# Altium PCB graviton.PcbDoc (part 4 of 15)
Units mm, origin at the board's own origin, x right, y up, seen from the top; angles counter-clockwise.
Board outline 200 x 200 mm, 10 copper layers (TOP, POLYGON1, S1, POLYGON2, POLYGON3, POLYGON4, POLYGON5, S2, POLYGON6, BOT), stack 1.751 mm thick; 1317 components, 712 nets, 5121 pads, 3994 vias.
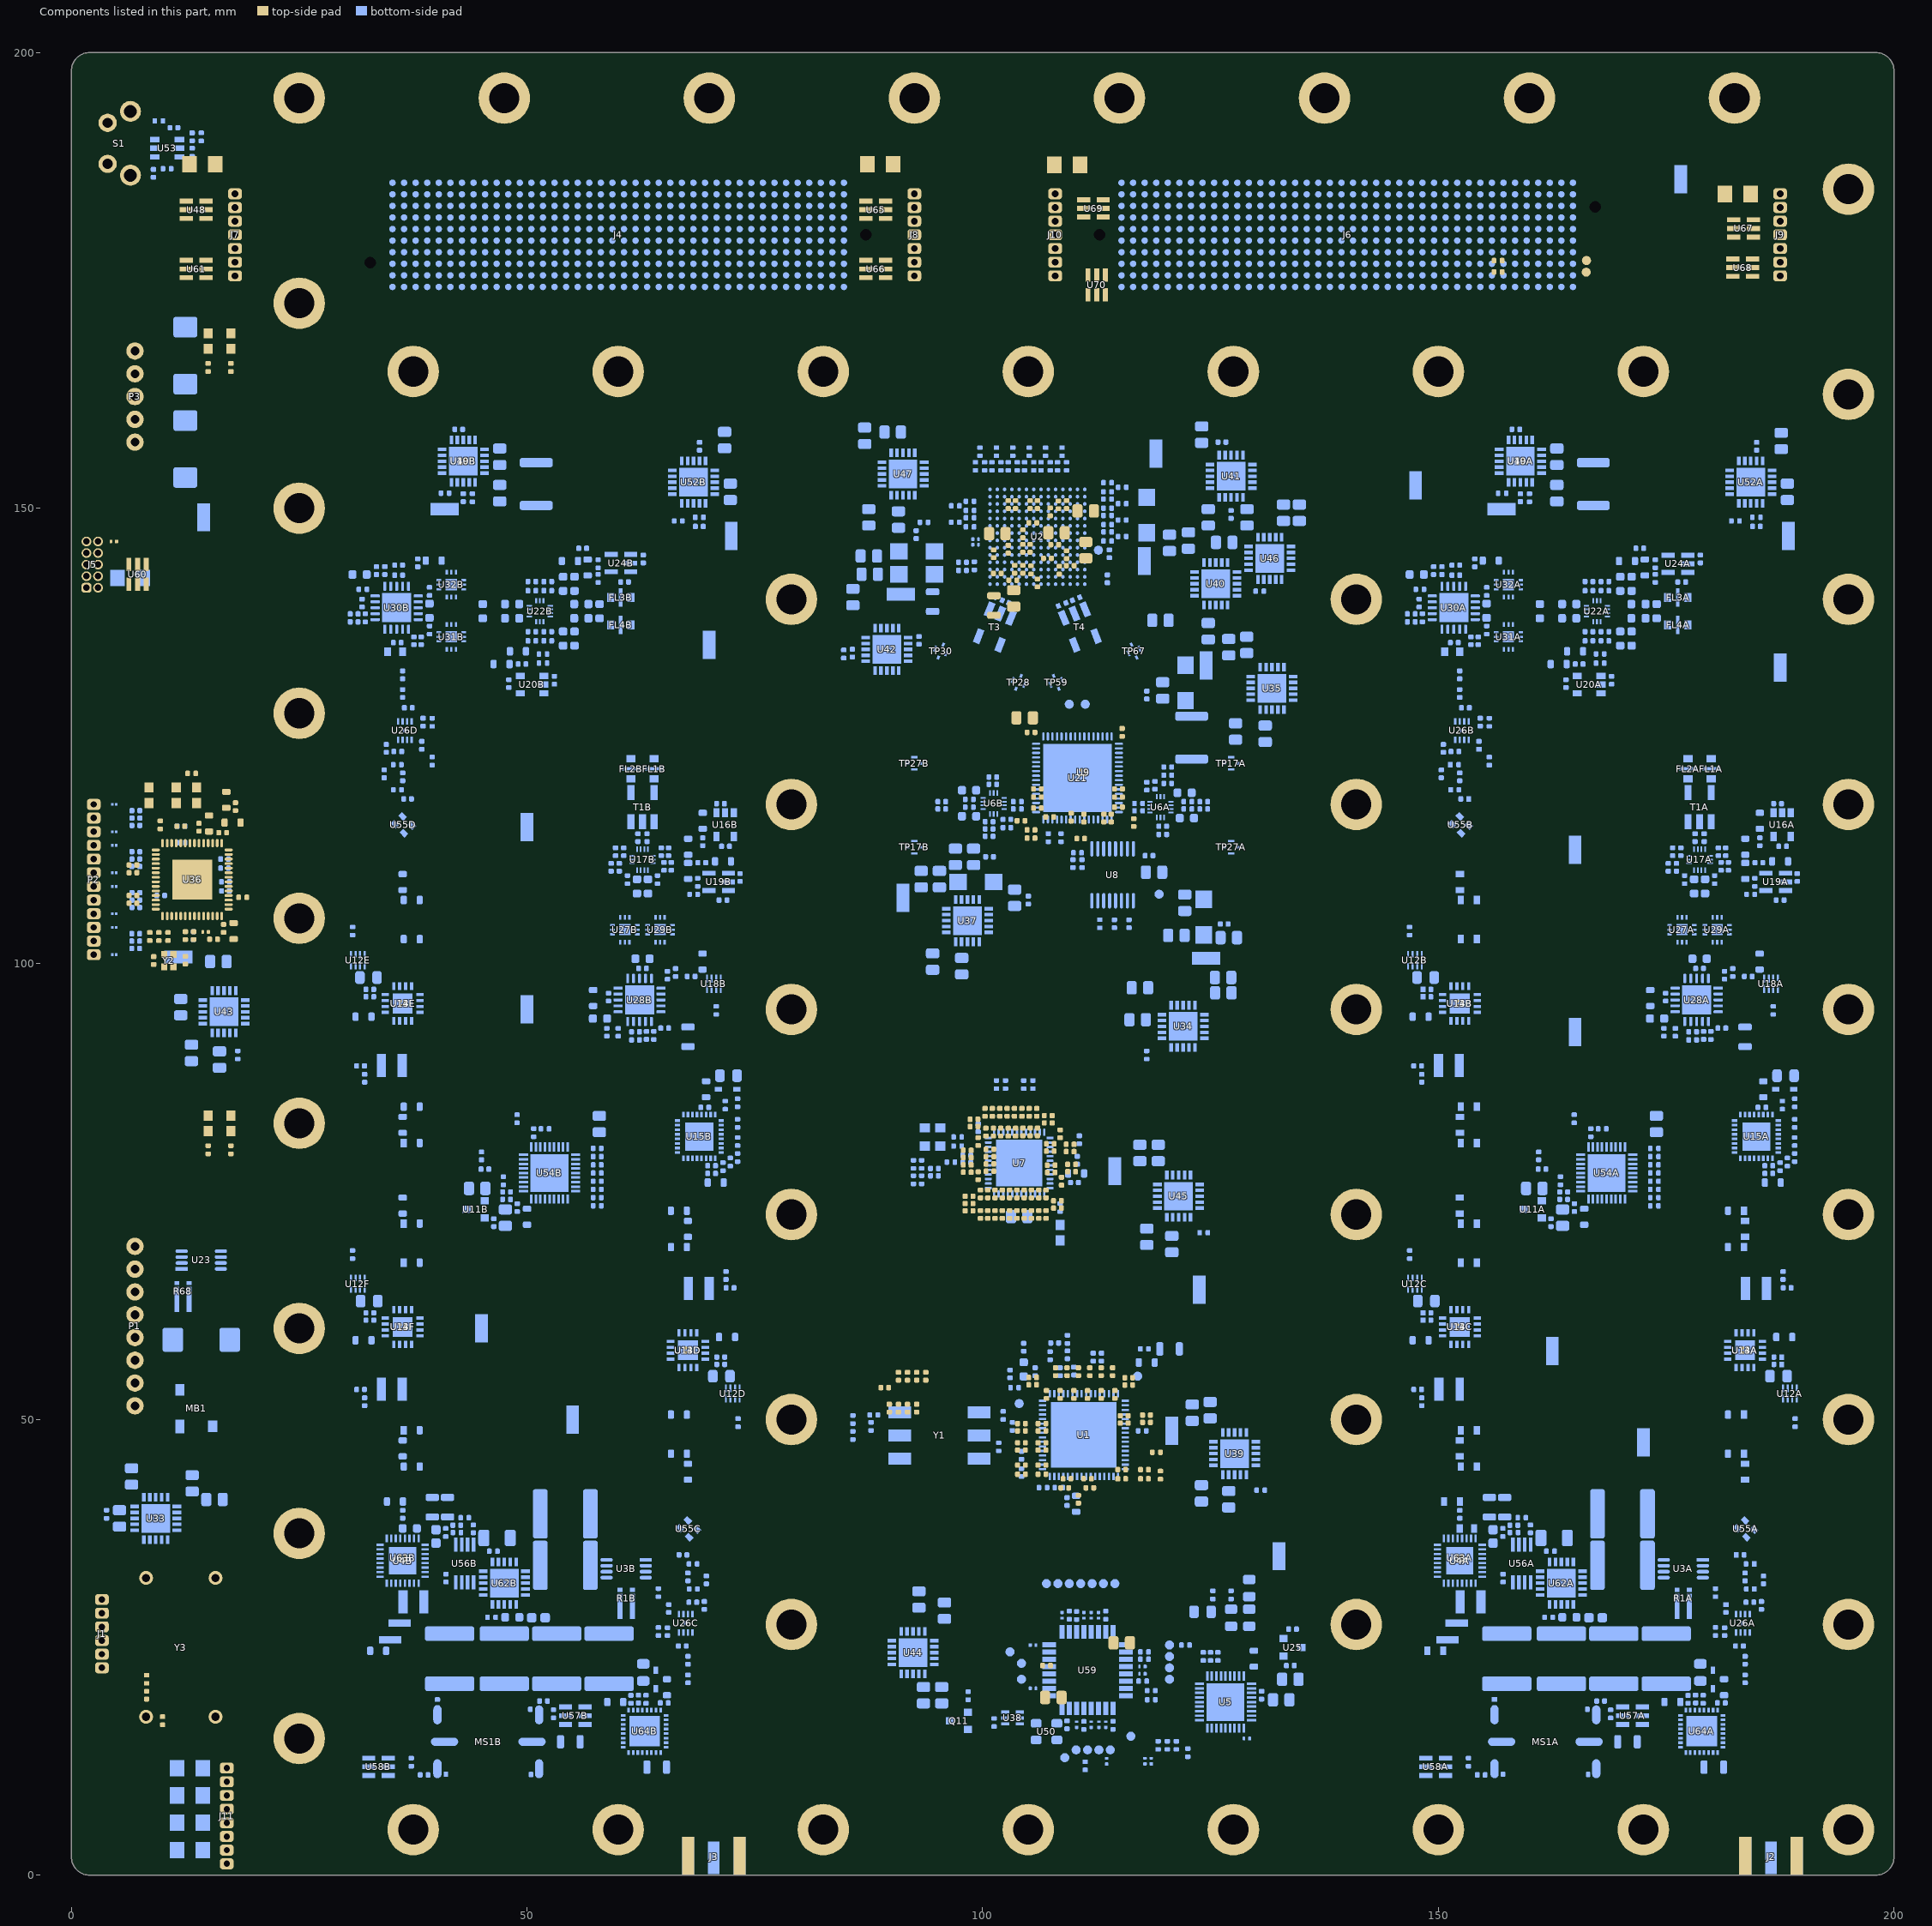
[diagram p12: the components of this part, seen from the top]

## Footprints (in the part's own frame and the unit in brackets; to place one, negate y for a bottom-side part, rotate by r counter-clockwise, add the part's x,y. Pads: shape width x height; smd on the part's side, far side on the other; paste and mask are expansions set on the pad)
0603 [mm] "SMD; Body 1.6 x 0.9 mm (LxW typ)"
  rect 0.79x0.93 smd: 1(-0.82,0) 2(0.82,0)
  body extent -0.8,-0.4 0.8,0.4, height 0.9
0603_LED [mm] "SMD; Body 1.6 x 0.9 mm (LxW typ)"
  rect 1.1x1 smd: 1(-0.85,0) 2(0.85,0)
  body extent -0.8,-0.4 0.8,0.4, height 0.9
0906-5L [mm] "Air Core Inductor 0906"
  rect 0.79x2.46 smd: 1(0.915,0.51) 2(-0.915,-0.51)
  silkscreen extent -1.25,-1.75 1.25,1.75, body extent -1.15,-1.59 1.15,1.59, height 1.32
1008CS#1 [mm] "Chip Inductor"
  rect 2.54x1.02 smd paste+0 mask+0: 1(0,1.145) 2(0,-1.145)
  body extent -1.39,-1.46 1.39,1.46, height 2.03
1008CS#2 [mm] "Chip Inductor"
  rect 2.54x0.914 smd paste+0 mask+0.05: 1(0,1.145)
  rect 2.54x1.02 smd paste+0 mask+0.05: 2(0,-1.145)
  body extent -1.39,-1.46 1.39,1.46, height 2.03
1206 [mm] "SMD; Body 3.1 x 1.6 mm (LxW typ)"
  rect 1.6x1.8 smd: 1(-1.4,0) 2(1.4,0)
  body extent -1.63,-0.79 1.57,0.81, height 1
1806 [mm] "SMD; Body 4.5 x 3.2 mm (LxW typ)"
  rect 1.9x1.8 smd: 1(-1.95,0) 2(1.95,0)
  body extent -2.25,-0.8 2.25,0.8, height 1.6
5015 [mm] "Test Point SMT"
  rect 3.1x1.4 smd paste+0.2 mask+0.05: 1(0,0)
  silkscreen extent -1.78,-0.92 1.78,0.92, body extent -1.45,-0.5 1.45,0.5, height 2
AT224-1A [mm] "Surface Mount RF Transformer"
  rect 0.76x1.65 smd: 1(-1.27,1.59) 2(0,1.59) 3(1.27,1.59) 4(1.27,-1.59) 6(-1.27,-1.59)
  body extent -1.9,-1.9 1.9,1.9, height 4.06
B7B-ZR [mm] "Through-hole Shrouded Header 7-Position"
  rrect50% 1.2x1.5 hole 0.73 paste-1.5 mask+0.05: 1(4.5,-0.45) 2(3,-0.45) 3(1.5,-0.45) 4(0,-0.45) 5(-1.5,-0.45) 6(-3,-0.45) 7(-4.5,-0.45)
  silkscreen extent -5.85,-1.85 6.35,1.85, body extent -5.75,-1.75 6.25,1.75, height 4.5
B8B-ZR [mm] "Through-hole Shrouded Header 8-Position"
  rrect50% 1.2x1.5 hole 0.7 paste-1.5 mask+0.05: 1(5.25,-0.45) 2(3.75,-0.45) 3(2.25,-0.45) 4(0.75,-0.45) 5(-0.75,-0.45) 6(-2.25,-0.45) 7(-3.75,-0.45) 8(-5.25,-0.45)
  silkscreen extent -5.25,-1.85 7.1,1.85, body extent -6.5,-1.75 7,1.75, height 4.5
CAPC100X50X55L25N#1 [mm] "Capacitor, Chip; 1.00 mm L X 0.50 mm W X 0.55 mm H body"
  rrect52% 0.54x0.6 smd: 1(-0.43,0) 2(0.43,0)
  body extent -0.5,-0.25 0.5,0.25, height 0.55
CAPC100X50X55L25N#2 [mm] "Capacitor, Chip; 1.00 mm L X 0.50 mm W X 0.55 mm H body"
  rect 0.54x0.6 smd: 1(-0.43,0)
  rrect52% 0.54x0.6 smd: 2(0.43,0)
  body extent -0.5,-0.25 0.5,0.25, height 0.55
CAPC100X50X55L25N#3 [mm] "Capacitor, Chip; 1.00 mm L X 0.50 mm W X 0.55 mm H body"
  rrect52% 0.54x0.6 smd: 1(-0.43,0)
  rect 0.54x0.6 smd: 2(0.43,0)
  body extent -0.5,-0.25 0.5,0.25, height 0.55
CAPC100X50X55L25N#4 [mm] "Capacitor, Chip; 1.00 mm L X 0.50 mm W X 0.55 mm H body"
  rect 0.51x0.6 smd: 1(-0.43,0)
  rrect52% 0.54x0.6 smd: 2(0.43,0)
  body extent -0.5,-0.25 0.5,0.25, height 0.55
CAPC160X80X90L20N#1 [mm] "Capacitor, Chip; 1.60 mm L X 0.80 mm W X 0.90 mm H body"
  rect 0.68x0.93 smd: 1(-0.875,0) 2(0.875,0)
  body extent -0.8,-0.4 0.8,0.4, height 0.9
CAPC160X80X90L20N#2 [mm] "Capacitor, Chip; 1.60 mm L X 0.80 mm W X 0.90 mm H body"
  rrect50% 0.68x0.93 smd: 1(-0.875,0) 2(0.875,0)
  body extent -0.8,-0.4 0.8,0.4, height 0.9
CAPC160X80X90L20N#3 [mm] "Capacitor, Chip; 1.60 mm L X 0.80 mm W X 0.90 mm H body"
  rect 0.68x0.914 smd: 1(-0.875,0) 2(0.875,0)
  body extent -0.8,-0.4 0.8,0.4, height 0.9
CAPC160X80X90L20N#4 [mm] "Capacitor, Chip; 1.60 mm L X 0.80 mm W X 0.90 mm H body"
  rrect50% 0.68x0.93 smd: 1(-0.875,0)
  rect 0.68x0.93 smd: 2(0.875,0)
  body extent -0.8,-0.4 0.8,0.4, height 0.9
CAPC200X125X145L45N [mm] "Capacitor, Chip; 2.00 mm L X 1.25 mm W X 1.45 mm H body"
  rrect45% 1.11x1.47 smd: 1(-0.9,0) 2(0.9,0)
  body extent -1,-0.63 1,0.62, height 1.45
CAPC450X320X360L20N [mm] "Capacitor, Chip; 4.50 mm L X 3.20 mm W X 3.60 mm H body"
  rrect50% 1.01x3.61 smd: 1(-2.35,0) 2(2.35,0)
  silkscreen extent -1.67,-1.8 1.67,1.8, body extent -2.25,-1.6 2.25,1.6, height 3.6
CAPC570X500X230L57N [mm] "Capacitor, Chip; 5.70 mm L X 5.00 mm W X 2.30 mm H body"
  rrect31% 1.61x5.41 smd: 1(-2.745,0) 2(2.745,0)
  body extent -2.85,-2.5 2.85,2.5, height 2.3
CAPC1608X90N [mm] "Capacitor, Chip; 1.60 mm L X 0.80 mm W X 0.90 mm H body"
  rrect50% 1.05x1.02 smd mask+0.075: 1(-0.735,0) 2(0.735,0)
  body extent -0.8,-0.4 0.8,0.4, height 0.9
CAPC2012X145N [mm] "Capacitor, Chip; 2.00 mm L X 1.25 mm W X 1.45 mm H body"
  rrect50% 0.77x1.47 smd: 1(-1.075,0) 2(1.075,0)
  body extent -1,-0.63 1,0.63, height 1.45
CAPC3216X130L55N [mm] "Capacitor, Chip; 3.20 mm L X 1.60 mm W X 1.30 mm H body"
  rrect41% 1.21x1.82 smd: 1(-1.45,0) 2(1.45,0)
  body extent -1.7,-0.9 1.7,0.9, height 1.3
CAPPM730X435X310L135X240N [mm] "Capacitor, Polarized, Molded Body; 7.30 mm L X 4.35 mm W X 3.10 mm H body"
  rrect22% 2.26x2.62 smd mask+0.05: 1(-3.125,0) 2(3.125,0)
  silkscreen extent -3.75,-2.25 2.5,2.25, body extent -3.87,-2.15 3.87,2.15, height 2.9
COILCRAFT_1008AF [mm] "Inductor; 2 pin, 2.92 mm L X 2.79 mm W X 1.91 mm H body"
  rect 1.02x2.54 smd: 1(-1.145,0) 2(1.145,0)
  body extent -1.46,-1.39 1.46,1.4, height 1.91
CSS-0578 [mm] "Magnetic Buzzer"
  rect 1.5x1 smd paste-0.025 mask+0.07: 1(-2,-1.8)
  rect 1.25x1 smd paste-0.025 mask+0.07: 2(2,-1.8) 3(-2,1.8)
  silkscreen extent -2.5,-2.6 2.6,2.6, body extent -2.5,-2.5 2.5,2.5, height 3
DBV-6 [mm]
  rect 0.6x1.05 smd: 1(0.95,1.35) 2(0,1.35) 3(-0.95,1.35) 4(-0.95,-1.35) 5(0,-1.35) 6(0.95,-1.35)
  silkscreen extent 1.55,1.83 1.65,1.92, body extent -1.5,-1.5 1.5,1.5, height 1.3
DFN200X150X80-8N [mm]
  rect 0.71x0.22 smd: 1(-0.645,0.75) 2(-0.645,0.25) 7(0.645,0.25) 8(0.645,0.75)
  rect 0.87x0.22 smd: 3(-0.565,-0.25) 4(-0.565,-0.75) 5(0.565,-0.75) 6(0.565,-0.25)
  silkscreen extent -1.37,-1.1 0.28,1.1, body extent -0.75,-1 0.75,1, height 0.75
EVQ-PF006K [mm] "Light Touch Switch"
  round 2 hole 1.1: 1(-2.25,0) 2(2.25,0)
  round 2.3 hole 1.4: 3(-3.5,2.5) 3(3.5,2.5)
  silkscreen extent -5,-1 5,4.5, body extent -4.29,-5.85 4.29,4, height 7.4
G125 [mil] "Vectron 4-pin OCXO package"
  round 60 hole 35.43: 1(300,150) 7(-300,150) 8(-300,-150) 14(300,-150)
  silkscreen extent -407,-258 407,258, body extent -407,-258 407,258, height 335
G218 [mm] "Vectron 6-pin VCXO package"
  rect 1.3x2.5 smd: 1(-2.54,-4.35) 2(0,-4.35) 3(2.54,-4.35) 4(2.54,4.35) 5(0,4.35) 6(-2.54,4.35)
  silkscreen extent -7.2,-5.7 7.2,4.75, body extent -7.2,-4.75 7.2,4.75, height 5.9
GRPB052MWCN [mil] "Male Header, 0.050\" Pitch, 2x5 Position, Right Angle"
  rrect50% 42x42 hole 28 mask+2: 1(-25,100)
  round 42 hole 28 mask+2: 2(25,100) 3(-25,50) 4(25,50) 5(-25,0) 6(25,0) 7(-25,-50) 8(25,-50) 9(-25,-100) 10(25,-100)
  silkscreen extent -40,-125 59,143, body extent -209,-125 32,125, height 134
INDC1005X55N [mm] "Inductor, Chip; 1.00 mm L X 0.50 mm W X 0.55 mm H body"
  rrect50% 0.54x0.6 smd mask+0.075: 1(-0.43,0) 2(0.43,0)
  body extent -0.5,-0.25 0.5,0.25, height 0.55
KRL3216T4 [mm] "4-Terminal Metal Foil Resistor"
  rect 0.55x2.75 smd mask+0.05: 1(-0.675,-0.325) 2(0.675,-0.325)
  rect 0.55x0.45 smd mask+0.05: 3(-0.675,1.475) 4(0.675,1.475)
  body extent -0.8,-1.6 0.8,1.6, height 0.5
MEM2012V [mm] "3-Terminal Filter"
  rect 0.8x1 smd mask+0.05: 1(-1.1,0) 3(1.1,0)
  rect 0.4x2 smd mask+0.05: 2(0,0)
  silkscreen extent -1,-0.75 1,0.75, body extent -1,-0.62 1,0.62, height 0.85
MOUNTM3#1 [mm] "M3 Mounting Hole"
  round 5.65 hole 3.3: 1(0,0)
MOUNTM3#2 [mm] "M3 Mounting Hole"
  round 5.65 hole 3.3: 1(-0.024,0.062)
MS-180(20) [mm] "Coaxial Connector Switch"
  rect 0.44x0.3 smd paste-0.22 mask-0.22: A(0.75,0) C(-0.75,0)
  rect 0.7x0.25 smd paste-0.35 mask-0.35: G(0,-0.675) G(0,0.675)
  TOP region: -0.95,0.75 -0.75,0.55 0.75,0.55 0.95,0.75 0.95,1 0.35,1 0.35,0.8 -0.35,0.8 -0.35,1 -0.95,1
  TOP region: 0.95,-0.75 0.75,-0.55 -0.75,-0.55 -0.95,-0.75 -0.95,-1 -0.35,-1 -0.35,-0.8 0.35,-0.8 0.35,-1 0.95,-1
  silkscreen extent -1.27,-0.51 1.3,0.51, body extent -0.91,-0.9 0.91,0.9, height 0.85
MSOP8 [mm] "MSOP8"
  rect 0.4x1.55 smd: 1(-0.975,-2.075) 2(-0.325,-2.075) 3(0.325,-2.075) 4(0.975,-2.075) 5(0.975,2.075) 6(0.325,2.075) 7(-0.325,2.075) 8(-0.975,2.075)
  silkscreen extent -1.85,-2.2 -1.6,-1.95, body extent -1.5,-2.45 1.5,2.45, height 1.15
NHJ0014A [mm] "14-Lead UQFN"
  rect 0.2x0.6 smd paste-0.025 mask+0.1: 1(0.4,1.15) 2(0,1.15) 3(-0.4,1.15) 8(-0.4,-1.15) 9(0,-1.15) 10(0.4,-1.15)
  rect 0.6x0.2 smd paste-0.025 mask+0.1: 4(-1.15,0.6) 5(-1.15,0.2) 6(-1.15,-0.2) 7(-1.15,-0.6) 11(1.15,-0.6) 12(1.15,-0.2) 13(1.15,0.2) 14(1.15,0.6)
  silkscreen extent 0.84,1.34 0.96,1.46, body extent -1.25,-1.25 1.25,1.25, height 0.6
NKD0064A [mm] "WQFN, 64-Leads, Body 9.1x9.1mm (max), Pitch 0.50mm, Height 0.8mm (max), IPC Low Density"
  rect 0.8x0.25 smd: 1(-4.55,3.75) 2(-4.55,3.25) 3(-4.55,2.75) 4(-4.55,2.25) 5(-4.55,1.75) 6(-4.55,1.25) 7(-4.55,0.75) 8(-4.55,0.25) 9(-4.55,-0.25) 10(-4.55,-0.75) 11(-4.55,-1.25) 12(-4.55,-1.75) 13(-4.55,-2.25) 14(-4.55,-2.75) 15(-4.55,-3.25) 16(-4.55,-3.75) 33(4.55,-3.75) 34(4.55,-3.25) 35(4.55,-2.75) 36(4.55,-2.25) 37(4.55,-1.75) 38(4.55,-1.25) 39(4.55,-0.75) 40(4.55,-0.25) 41(4.55,0.25) 42(4.55,0.75) 43(4.55,1.25) 44(4.55,1.75) 45(4.55,2.25) 46(4.55,2.75) 47(4.55,3.25) 48(4.55,3.75)
  rect 0.25x0.8 smd: 17(-3.75,-4.55) 18(-3.25,-4.55) 19(-2.75,-4.55) 20(-2.25,-4.55) 21(-1.75,-4.55) 22(-1.25,-4.55) 23(-0.75,-4.55) 24(-0.25,-4.55) 25(0.25,-4.55) 26(0.75,-4.55) 27(1.25,-4.55) 28(1.75,-4.55) 29(2.25,-4.55) 30(2.75,-4.55) 31(3.25,-4.55) 32(3.75,-4.55) 49(3.75,4.55) 50(3.25,4.55) 51(2.75,4.55) 52(2.25,4.55) 53(1.75,4.55) 54(1.25,4.55) 55(0.75,4.55) 56(0.25,4.55) 57(-0.25,4.55) 58(-0.75,4.55) 59(-1.25,4.55) 60(-1.75,4.55) 61(-2.25,4.55) 62(-2.75,4.55) 63(-3.25,4.55) 64(-3.75,4.55)
  rect 7.2x7.2 smd: 65(0,0)
  silkscreen extent -5.62,-4.6 4.6,4.6, body extent -4.55,-4.55 4.55,4.55, height 0.8
OSCCC320X250X80L75X100N [mm] "Oscillator, Corner Concave; 3.20 mm L X 2.50 mm W X 0.80 mm H body"
  rrect51% 1.2x0.95 smd: 1(-1.135,-0.91) 2(1.135,-0.91) 3(1.135,0.91) 4(-1.135,0.91)
  silkscreen extent -2.16,-1.78 -1.91,-1.52, body extent -1.6,-1.25 1.6,1.25, height 0.8
QFN21P65_500X500X80L55X30T320N#1 [mm] "Quad Flat No-Lead (QFN with Tab), 0.65 mm pitch; square, 5 pin X 5 pin, 5.00 mm L X 5.00 mm W X 0.80 mm H body"
  rect 0.32x1.01 smd: 1(-1.3,-2.36)
  rrect50% 0.32x1.01 smd: 2(-0.65,-2.36) 3(0,-2.36) 4(0.65,-2.36) 5(1.3,-2.36) 11(1.3,2.36) 12(0.65,2.36) 13(0,2.36) 14(-0.65,2.36) 15(-1.3,2.36)
  rrect50% 1.01x0.32 smd: 6(2.36,-1.3) 7(2.36,-0.65) 8(2.36,0) 9(2.36,0.65) 10(2.36,1.3) 16(-2.36,1.3) 17(-2.36,0.65) 18(-2.36,0) 19(-2.36,-0.65) 20(-2.36,-1.3)
  rect 3.2x3.2 smd paste-3.2 mask+0: 21(0,0)
  body extent -2.55,-2.55 2.55,2.55, height 0.8
QFN21P65_500X500X80L55X30T320N#2 [mm] "Quad Flat No-Lead (QFN with Tab), 0.65 mm pitch; square, 5 pin X 5 pin, 5.00 mm L X 5.00 mm W X 0.80 mm H body"
  rrect50% 0.32x1.01 smd: 1(-1.3,-2.36) 2(-0.65,-2.36) 3(0,-2.36) 4(0.65,-2.36) 5(1.3,-2.36) 11(1.3,2.36) 12(0.65,2.36) 13(0,2.36) 14(-0.65,2.36) 15(-1.3,2.36)
  rrect50% 1.01x0.32 smd: 6(2.36,-1.3) 7(2.36,-0.65) 8(2.36,0) 9(2.36,0.65) 10(2.36,1.3) 16(-2.36,1.3) 17(-2.36,0.65) 18(-2.36,0) 19(-2.36,-0.65) 20(-2.36,-1.3)
  rect 3.2x3.2 smd paste-3.2 mask+0: 21(0,0)
  body extent -2.55,-2.55 2.55,2.55, height 0.8
QFN50P500X500X90-32N [mm]
  rect 0.52x0.29 smd mask+0.05: 1(-2.34,1.75) 2(-2.34,1.25) 3(-2.34,0.75) 4(-2.34,0.25) 5(-2.34,-0.25) 6(-2.34,-0.75) 7(-2.34,-1.25) 8(-2.34,-1.75) 17(2.34,-1.75) 18(2.34,-1.25) 19(2.34,-0.75) 20(2.34,-0.25) 21(2.34,0.25) 22(2.34,0.75) 23(2.34,1.25) 24(2.34,1.75)
  rect 0.29x0.52 smd mask+0.05: 9(-1.75,-2.341) 10(-1.25,-2.341) 11(-0.75,-2.341) 12(-0.25,-2.341) 13(0.25,-2.341) 14(0.75,-2.341) 15(1.25,-2.341) 16(1.75,-2.341) 25(1.75,2.341) 26(1.25,2.341) 27(0.75,2.341) 28(0.25,2.341) 29(-0.25,2.341) 30(-0.75,2.341) 31(-1.25,2.341) 32(-1.75,2.341)
  rect 3.35x3.35 smd mask+0.05: 33(0,0)
  silkscreen extent -3.2,-2.5 2.5,2.5, body extent -2.5,-2.5 2.5,2.5, height 0.85
QFN50P500X500X153-33N [mm] "LFCSP_CAV"
  rect 0.82x0.255 smd mask+0.05: 1(-2.46,1.75) 2(-2.46,1.25) 3(-2.46,0.75) 4(-2.46,0.25) 5(-2.46,-0.25) 6(-2.46,-0.75) 7(-2.46,-1.25) 8(-2.46,-1.75) 17(2.46,-1.75) 18(2.46,-1.25) 19(2.46,-0.75) 20(2.46,-0.25) 21(2.46,0.25) 22(2.46,0.75) 23(2.46,1.25) 24(2.46,1.75)
  rect 0.255x0.82 smd mask+0.05: 9(-1.75,-2.46) 10(-1.25,-2.46) 11(-0.75,-2.46) 12(-0.25,-2.46) 13(0.25,-2.46) 14(0.75,-2.46) 15(1.25,-2.46) 16(1.75,-2.46) 25(1.75,2.46) 26(1.25,2.46) 27(0.75,2.46) 28(0.25,2.46) 29(-0.25,2.46) 30(-0.75,2.46) 31(-1.25,2.46) 32(-1.75,2.46)
  rect 3x3 smd mask+0.05: 33(0,0)
  silkscreen extent -3.11,-2.55 2.55,2.55, body extent -2.55,-2.55 2.55,2.55, height 1.35
QFN50P600X600X90-37N [mm]
  rect 1.01x0.28 smd mask+0.05: 1(-2.86,2) 2(-2.86,1.5) 3(-2.86,1) 4(-2.86,0.5) 5(-2.86,0) 6(-2.86,-0.5) 7(-2.86,-1) 8(-2.86,-1.5) 9(-2.86,-2) 19(2.86,-2) 20(2.86,-1.5) 21(2.86,-1) 22(2.86,-0.5) 23(2.86,0) 24(2.86,0.5) 25(2.86,1) 26(2.86,1.5) 27(2.86,2)
  rect 0.28x1.01 smd mask+0.05: 10(-2,-2.86) 11(-1.5,-2.86) 12(-1,-2.86) 13(-0.5,-2.86) 14(0,-2.86) 15(0.5,-2.86) 16(1,-2.86) 17(1.5,-2.86) 18(2,-2.86) 28(2,2.86) 29(1.5,2.86) 30(1,2.86) 31(0.5,2.86) 32(0,2.86) 33(-0.5,2.86) 34(-1,2.86) 35(-1.5,2.86) 36(-2,2.86)
  rect 4.15x4.15 smd paste-2.075 mask+0.05: 37(0,0)
  silkscreen extent -3.65,-3.2 3.2,3.2, body extent -3.05,-3.05 3.05,3.05, height 0.9
QFN65P400X400X90-17N [mil] "QFN; 16-pin; with thermal pad"
  rect 32x14 smd mask+1.97: 1(-75,38.39) 2(-75,12.8) 3(-75,-12.8) 4(-75,-38.39) 9(75,-38.39) 10(75,-12.8) 11(75,12.8) 12(75,38.39)
  rect 14x32 smd mask+1.97: 5(-38.39,-75) 6(-12.8,-75) 7(12.8,-75) 8(38.39,-75) 13(38.39,75) 14(12.8,75) 15(-12.8,75) 16(-38.39,75)
  rect 86x86 smd mask+1.97: 17(0,0)
  silkscreen extent -95,-79 79,79, body extent -79,-79 79,79, height 33
QFN65P500X500X100-21N [mm] "Plastic Quad Flatpack No-Lead; 20-pin"
  rect 0.95x0.4 smd mask+0.05: 1(-2.309,1.307) 2(-2.309,0.657) 3(-2.309,0.007) 4(-2.309,-0.643) 5(-2.309,-1.293) 11(2.341,-1.293) 12(2.341,-0.643) 13(2.341,0.007) 14(2.341,0.657) 15(2.341,1.307)
  rect 0.4x0.95 smd mask+0.05: 6(-1.284,-2.318) 7(-0.634,-2.318) 8(0.016,-2.318) 9(0.666,-2.318) 10(1.316,-2.318) 16(1.316,2.332) 17(0.666,2.332) 18(0.016,2.332) 19(-0.634,2.332) 20(-1.284,2.332)
  rect 3.15x3.15 smd paste-1.65 mask+0.05: 21(0.016,0.007)
  silkscreen extent -3,-2.8 2.8,2.8, body extent -2.5,-2.5 2.5,2.5, height 0.9
QFN-56 [mm] "QFN 56-lead package with 4.37mm center pad"
  oval 0.9x0.3 smd: 1(-4,3.25) 2(-4,2.75) 3(-4,2.25) 4(-4,1.75) 5(-4,1.25) 6(-4,0.75) 7(-4,0.25) 8(-4,-0.25) 9(-4,-0.75) 10(-4,-1.25) 11(-4,-1.75) 12(-4,-2.25) 13(-4,-2.75) 14(-4,-3.25) 29(4,-3.25) 30(4,-2.75) 31(4,-2.25) 32(4,-1.75) 33(4,-1.25) 34(4,-0.75) 35(4,-0.25) 36(4,0.25) 37(4,0.75) 38(4,1.25) 39(4,1.75) 40(4,2.25) 41(4,2.75) 42(4,3.25)
  oval 0.3x0.9 smd: 15(-3.25,-4) 16(-2.75,-4) 17(-2.25,-4) 18(-1.75,-4) 19(-1.25,-4) 20(-0.75,-4) 21(-0.25,-4) 22(0.25,-4) 23(0.75,-4) 24(1.25,-4) 25(1.75,-4) 26(2.25,-4) 27(2.75,-4) 28(3.25,-4) 43(3.25,4) 44(2.75,4) 45(2.25,4) 46(1.75,4) 47(1.25,4) 48(0.75,4) 49(0.25,4) 50(-0.25,4) 51(-0.75,4) 52(-1.25,4) 53(-1.75,4) 54(-2.25,4) 55(-2.75,4) 56(-3.25,4)
  rect 4.37x4.37 smd: 57(0,0)
  silkscreen extent -4.6,4.15 -4.4,4.35, body extent -4,-4 4,4, height 0.85
QFN-PE-32 [mm] "32-pin QFN 5x5mm w/ 3.1mm thermal pad"
  rect 0.6x0.3 smd mask+0.05: 1(-2.4,1.75) 2(-2.4,1.25) 3(-2.4,0.75) 4(-2.4,0.25) 5(-2.4,-0.25) 6(-2.4,-0.75) 7(-2.4,-1.25) 8(-2.4,-1.75) 17(2.4,-1.75) 18(2.4,-1.25) 19(2.4,-0.75) 20(2.4,-0.25) 21(2.4,0.25) 22(2.4,0.75) 23(2.4,1.25) 24(2.4,1.75)
  rect 0.3x0.6 smd mask+0.05: 9(-1.75,-2.4) 10(-1.25,-2.4) 11(-0.75,-2.4) 12(-0.25,-2.4) 13(0.25,-2.4) 14(0.75,-2.4) 15(1.25,-2.4) 16(1.75,-2.4) 25(1.75,2.4) 26(1.25,2.4) 27(0.75,2.4) 28(0.25,2.4) 29(-0.25,2.4) 30(-0.75,2.4) 31(-1.25,2.4) 32(-1.75,2.4)
  rect 3.1x3.1 smd mask+0.05: 33(0,0)
  silkscreen extent -2.37,2.18 -2.18,2.38, body extent -2.51,-2.51 2.51,2.51, height 0.8
QFN-XLF-12 [mm] "QFN, 12-Leads, Body 3.0x3.0mm, Mini Circuits Reflectionless Filter"
  rect 0.51x0.25 smd: 1(-1.36,0.5) 2(-1.36,0) 3(-1.36,-0.5) 7(1.36,-0.5) 8(1.36,0) 9(1.36,0.5)
  rect 0.25x0.51 smd: 4(-0.5,-1.36) 5(0,-1.36) 6(0.5,-1.36) 10(0.5,1.36) 11(0,1.36) 12(-0.5,1.36)
  rect 1.24x1.24 smd: 13(0,0)
  silkscreen extent -2.62,-1.5 1.5,1.5, body extent -1.5,-1.5 1.5,1.5, height 0.9
QFP80P900X900X160-32N [mm]
  rect 1.5x0.55 smd mask+0.05: 1(-4.2,2.8) 2(-4.2,2) 3(-4.2,1.2) 4(-4.2,0.4) 5(-4.2,-0.4) 6(-4.2,-1.2) 7(-4.2,-2) 8(-4.2,-2.8) 17(4.2,-2.8) 18(4.2,-2) 19(4.2,-1.2) 20(4.2,-0.4) 21(4.2,0.4) 22(4.2,1.2) 23(4.2,2) 24(4.2,2.8)
  rect 0.55x1.5 smd mask+0.05: 9(-2.8,-4.2) 10(-2,-4.2) 11(-1.2,-4.2) 12(-0.4,-4.2) 13(0.4,-4.2) 14(1.2,-4.2) 15(2,-4.2) 16(2.8,-4.2) 25(2.8,4.2) 26(2,4.2) 27(1.2,4.2) 28(0.4,4.2) 29(-0.4,4.2) 30(-1.2,4.2) 31(-2,4.2) 32(-2.8,4.2)
  silkscreen extent -5.27,3.48 -4.87,3.87, body extent -4.5,-4.5 4.5,4.5, height 1.48
RESC1005X40N#1 [mm] "Resistor, Chip; 1.00 mm L X 0.50 mm W X 0.40 mm H body"
  rrect50% 0.51x0.6 smd: 1(-0.445,0) 2(0.445,0)
  body extent -0.5,-0.25 0.5,0.25, height 0.4
RESC1005X40N#2 [mm] "Resistor, Chip; 1.00 mm L X 0.50 mm W X 0.40 mm H body"
  rrect50% 0.51x0.6 smd: 1(-0.445,0)
  rect 0.51x0.6 smd: 2(0.445,0)
  body extent -0.5,-0.25 0.5,0.25, height 0.4
RESC1005X40N#3 [mm] "Resistor, Chip; 1.00 mm L X 0.50 mm W X 0.40 mm H body"
  rect 0.51x0.6 smd: 1(-0.445,0)
  rrect50% 0.51x0.6 smd: 2(0.445,0)
  body extent -0.5,-0.25 0.5,0.25, height 0.4
RESC1608X55N#1 [mm] "Resistor, Chip; 1.60 mm L X 0.80 mm W X 0.55 mm H body"
  rrect50% 0.87x0.93 smd: 1(-0.78,0) 2(0.78,0)
  body extent -0.8,-0.4 0.8,0.4, height 0.55
RESC1608X55N#2 [mm] "Resistor, Chip; 1.60 mm L X 0.80 mm W X 0.55 mm H body"
  rect 0.68x0.93 smd: 1(-0.78,0) 2(0.78,0)
  body extent -0.8,-0.4 0.8,0.4, height 0.55
RESC2012X70N [mm] "Resistor, Chip; 2.00 mm L X 1.25 mm W X 0.70 mm H body"
  rrect50% 1.04x1.38 smd: 1(-0.94,0) 2(0.94,0)
  body extent -1,-0.63 1,0.63, height 0.7